# Altium PCB roach2.PcbDoc (part 36 of 39)
Units mil, origin at the board's own origin, x right, y up, seen from the top; angles counter-clockwise.
Board outline 12007.87 x 9606.3 mil, 16 copper layers (L1_TOP, L2_G, L3_S, L4_G, L5_S, L6_P, L7_G, L8_R, L9_R, L10_P, L11_P, L12_S, L13_P, L14_S, L15_G, L16_BOT), stack 81.651 mil thick; 1608 components, 1934 nets, 9335 pads, 6759 vias.
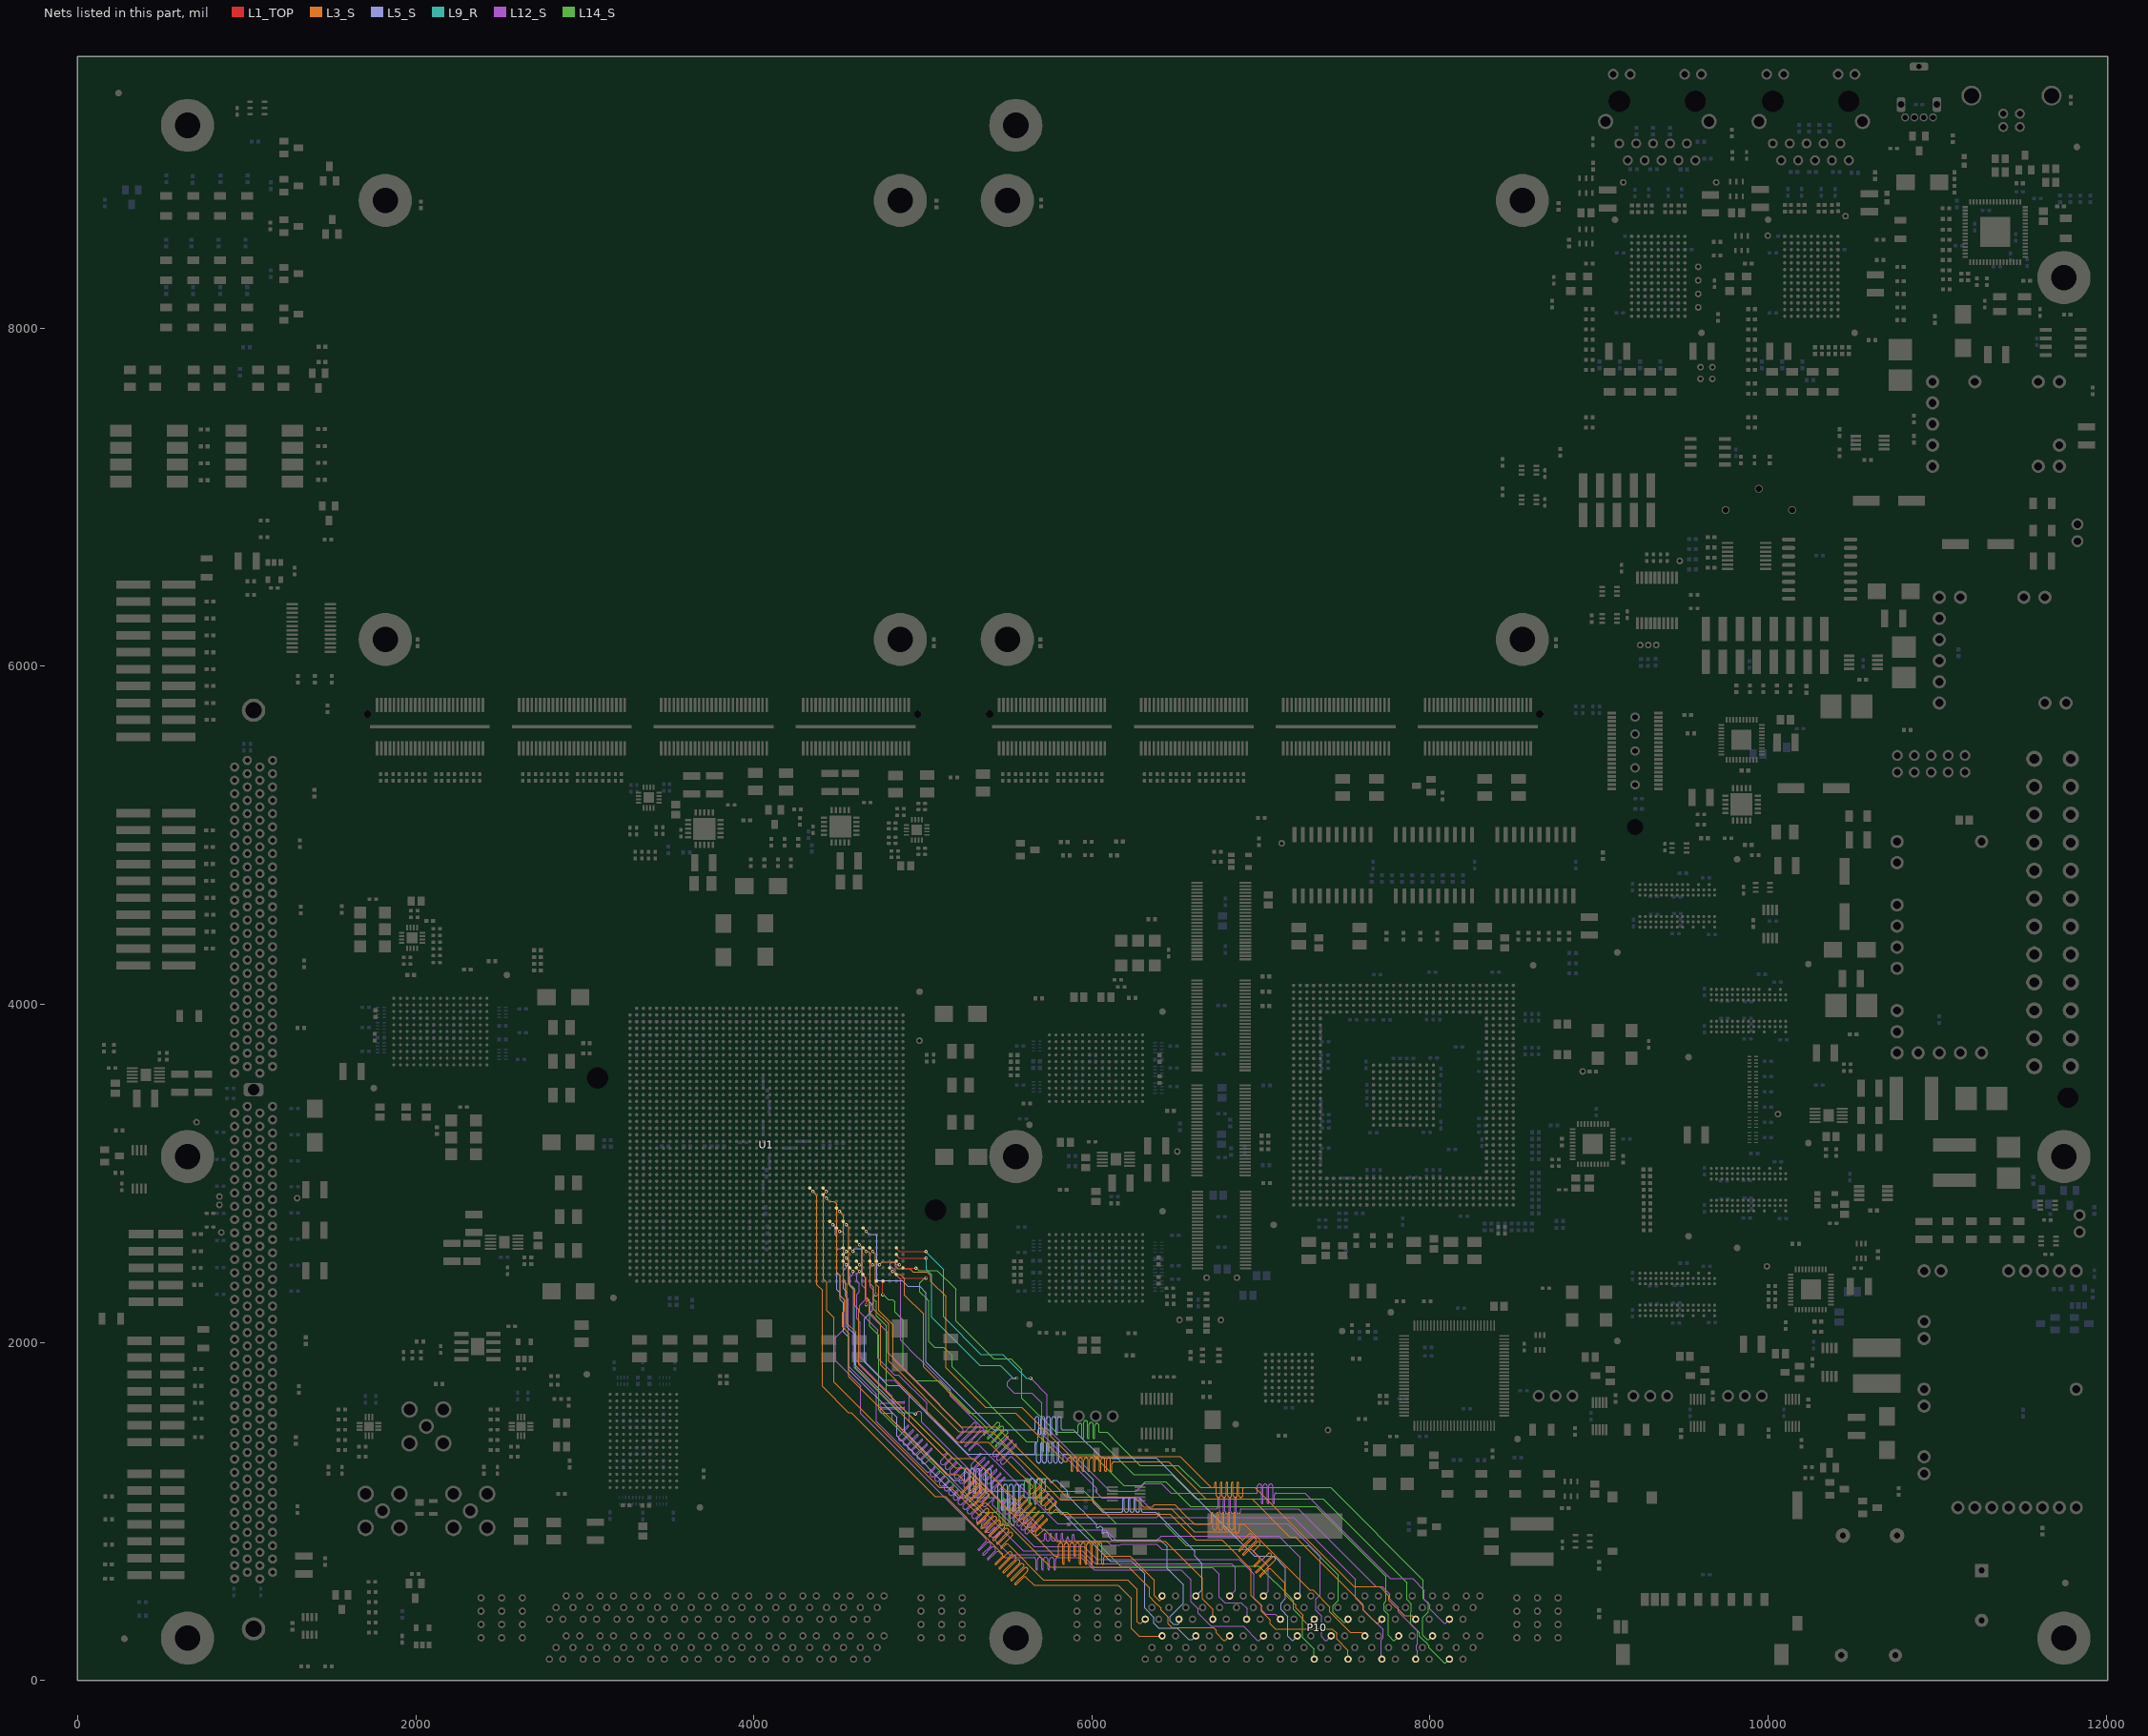
[diagram p50: the nets of this part, all layers, seen from the top]

## Via types
v1: diameter 19.4, hole 10, L1_TOP to L16_BOT, tented both sides, 3354 vias
v2: diameter 19.4, hole 10, L1_TOP to L16_BOT, 1884 vias
v3: diameter 19.4, hole 10, L1_TOP to L16_BOT, tented top, 410 vias
v4: diameter 18.6, hole 10, L1_TOP to L16_BOT, tented both sides, 311 vias
v5: diameter 59.06, hole 39.37, L1_TOP to L16_BOT, 217 vias
v6: diameter 19, hole 10, L1_TOP to L16_BOT, 198 vias
v7: diameter 19.4, hole 10.04, L1_TOP to L16_BOT, 125 vias
v8: diameter 19.4, hole 10, L1_TOP to L16_BOT, tented bottom, 80 vias
v9: diameter 25.98, hole 12.99, L1_TOP to L16_BOT, tented top, 59 vias
v10: diameter 20, hole 10, L1_TOP to L16_BOT, 52 vias
v11: diameter 59.06, hole 39.37, L1_TOP to L16_BOT, tented top, 44 vias
v12: diameter 20, hole 10, L1_TOP to L16_BOT, tented top, 16 vias
v13: diameter 19, hole 10, L1_TOP to L16_BOT, tented top, 5 vias
v14: diameter 50, hole 28, L1_TOP to L16_BOT, 4 vias

## Nets (pads, with @x,y where several pads share a name; then routed paths per layer and width w, separated by ;. In a path a pad name is that pad's centre, name@x,y a point inside that pad or via, vN(x,y) a via of type N, cw(c..) or ccw(c..) an arc to the next point about the centre after c; other vN are vias at no path point) (continued)
ZDOK0.DP_P5: P10.A11 U1.G41 | length 5249.3
  L1_TOP w5: U1.G41@4644.77,2400.04 4664.46,2380.35 v2(4664.46,2222.87)
  L14_S w3.8: v2@4665.36,2224.41 4665.36,2238.36 4672.99,2245.99 4674.99,2245.99 4684.99,2235.99 4684.99,2156.99 4685.59,2156.39 4685.59,2094.36 4738.48,2041.48 4738.48,1601.48 5344.76,995.19 5430.99,995.19 ccw(c5430.99,1007.39) 5443.19,1007.39 5443.19,1069.64 cw(c5447.59,1069.64) 5451.99,1069.64 5451.99,928.54 ccw(c5464.19,928.54) 5476.39,928.54 5476.39,1069.64 cw(c5480.79,1069.64) 5485.19,1069.64 5485.19,928.54 ccw(c5497.39,928.54) 5509.59,928.54 5509.59,1069.64 cw(c5513.99,1069.64) 5518.39,1069.64 5518.39,928.54 ccw(c5530.59,928.54) 5542.79,928.54 5542.79,1069.64 cw(c5547.19,1069.64) 5551.59,1069.64 5551.59,1007.39 ccw(c5563.79,1007.39) 5563.79,995.19 5852.99,995.19 5855.95,992.24 5920.09,928.09 6170.19,677.99 6987.99,677.99 7179.65,486.34 7179.65,485.36 7192.99,472.01 7192.99,419.76 7245.19,367.56 7245.19,254.65 7315.2,184.65 P10.A11@7315.2,125.98
ZDOK0.DP_P6: P10.A13 U1.H36 | length 5210
  L1_TOP w5: U1.H36@4605.4,2596.89 v1(4625.09,2577.2)
  L3_S w3.8: v1(4625.09,2577.2) 4641.06,2561.23 4641.06,2403.9 4660.74,2384.21 4660.74,2272.24 4682.19,2250.79 4682.19,2178.26 4749.99,2110.46 4749.99,1865.76 5205.56,1410.19 5387.99,1410.19 5521.09,1277.1 5648.95,1149.24 cw(c5645.84,1146.13) 5650.24,1146.13 cw(c5645.84,1146.13) 5648.95,1143.01 5631.36,1125.42 ccw(c5639.98,1116.8) 5631.36,1108.17 ccw(c5639.98,1116.8) 5648.61,1108.17 5690.82,1150.39 cw(c5693.94,1147.28) 5697.05,1150.39 cw(c5693.94,1147.28) 5698.34,1147.28 cw(c5693.94,1147.28) 5697.05,1144.17 5678.3,1125.41 5654.83,1101.95 ccw(c5663.46,1093.32) 5654.83,1084.7 ccw(c5663.46,1093.32) 5672.08,1084.7 5714.3,1126.91 cw(c5717.41,1123.8) 5720.53,1126.91 cw(c5717.41,1123.8) 5721.81,1123.8 cw(c5717.41,1123.8) 5720.53,1120.69 5701.77,1101.94 ; 5701.76,1101.93 5678.31,1078.47 ccw(c5686.93,1069.85) 5678.31,1061.22 ccw(c5686.93,1069.85) 5695.56,1061.22 5737.78,1103.44 cw(c5740.89,1100.33) 5744,1103.44 cw(c5740.89,1100.33) 5745.29,1100.33 cw(c5740.89,1100.33) 5744,1097.22 5701.78,1055 ccw(c5710.41,1046.37) 5701.78,1037.75 ccw(c5710.41,1046.37) 5719.03,1037.75 5761.25,1079.96 cw(c5764.36,1076.85) 5767.48,1079.96 cw(c5764.36,1076.85) 5768.76,1076.85 cw(c5764.36,1076.85) 5767.48,1073.74 5725.26,1031.53 ccw(c5733.88,1022.9) 5725.26,1014.27 ccw(c5733.88,1022.9) 5742.51,1014.27 5784.73,1056.49 cw(c5787.84,1053.38) 5790.95,1056.49 cw(c5787.84,1053.38) 5792.24,1053.38 cw(c5787.84,1053.38) 5790.95,1050.27 5748.74,1008.05 ccw(c5757.36,999.42) 5748.73,990.8 ccw(c5757.36,999.42) 5765.98,990.8 5783.57,1008.38 cw(c5786.69,1005.28) 5789.8,1008.39 5815.19,982.99 6462.99,982.99 6615.28,830.71 6769.25,830.71 6942.99,656.96 6942.99,501.96 7002.99,441.96 7002.99,409.76 7055.19,357.56 7055.19,334.76 7084.76,305.19 7420.79,305.19 7447.99,277.99 7447.99,244.76 7515.2,177.56 P10.A13@7515.2,125.98
ZDOK0.DP_P7: P10.A15 U1.B39 | length 5289.9
  L1_TOP w5: U1.B39@4841.62,2478.78 v1(4861.31,2459.09)
  L12_S w3.8: v1(4861.31,2459.09) 4844,2459.09 4828.4,2474.69 4815.48,2474.69 4806.34,2465.55 4806.34,2452.63 4823.65,2435.32 4828.4,2435.32 4837.54,2426.18 4837.54,2402.42 4868.19,2371.76 4868.19,2012.76 4962.53,1918.42 4962.67,1918.42 4983.42,1897.67 4983.42,1897.53 5161.98,1718.98 5161.98,1684.01 5442.66,1403.33 ccw(c5451.29,1411.95) 5459.92,1403.32 ; 5439.15,1323.16 ccw(c5447.78,1314.54) 5439.15,1305.91 ccw(c5447.78,1314.54) 5456.41,1305.91 5546.57,1396.07 ; 5439.16,1323.17 5529.31,1413.32 ; 5459.92,1403.33 5499.62,1443.02 ; 5499.62,1443.03 cw(c5502.73,1439.91) 5505.84,1443.03 cw(c5502.73,1439.91) 5507.13,1439.91 cw(c5502.73,1439.91) 5505.84,1436.8 5415.68,1346.64 ccw(c5424.3,1338.01) 5415.68,1329.39 ccw(c5424.3,1338.01) 5432.93,1329.39 5523.09,1419.55 cw(c5526.21,1416.44) 5529.32,1419.55 cw(c5526.21,1416.44) 5530.61,1416.44 cw(c5526.21,1416.44) 5529.32,1413.33 ; 5507.22,1344.27 5462.63,1299.69 ccw(c5471.26,1291.06) 5462.63,1282.44 ccw(c5471.26,1291.06) 5479.88,1282.44 5518.6,1321.16 cw(c5521.72,1318.05) 5524.83,1321.16 5654.99,1190.99 5787.99,1057.99 5787.99,1026.96 5851.96,962.99 6376.99,962.99 ccw(c6376.99,977.39) 6391.39,977.39 6391.39,986.19 cw(c6395.79,986.19) 6400.19,986.19 6400.19,977.39 ccw(c6414.59,977.39) 6414.59,962.99 7192.99,962.99 7557.99,597.99 7557.99,486.96 7607.99,436.96 7607.99,414.76 7722.48,300.28 7722.48,252.37 7710.19,240.08 7710.19,130.99 P10.A15@7715.2,125.98 ; 5507.22,1344.28 5552.79,1389.85 ccw(c5549.68,1392.96) 5554.08,1392.96 ccw(c5549.68,1392.96) 5552.79,1396.08 ccw(c5549.68,1392.96) 5546.57,1396.08
ZDOK0.DP_P8: P10.A17 U1.B38 | length 5277.5
  L1_TOP w5: U1.B38@4842.09,2518.46 4861.78,2498.77 v2(5019.26,2498.77)
  L9_R w3.8: v2@5020.16,2498.77 5020.16,2431.82 5051.79,2400.18 5051.79,2149.99 5336.79,1864.99 5458.79,1864.99 5535.71,1788.08 v2@5548.08,1788.08
  L12_S w3.8: v2@5548.08,1788.08 5522.05,1788.08 5500.19,1766.22 5500.19,1739.76 5539.76,1700.19 5644.76,1700.19 5702.99,1641.96 5702.99,1461.96 6027.99,1136.96 6027.99,1109.76 6057.56,1080.19 6280.79,1080.19 6345.79,1015.19 6733.59,1015.19 ccw(c6733.59,1027.39) 6745.79,1027.39 6745.79,1072.74 cw(c6750.19,1072.74) 6754.59,1072.74 6754.59,1000.45 ccw(c6766.79,1000.45) 6778.99,1000.45 6778.99,1072.74 cw(c6783.39,1072.74) 6787.79,1072.74 6787.79,1000.45 ccw(c6799.99,1000.45) 6812.19,1000.45 6812.19,1072.74 cw(c6816.59,1072.74) 6820.99,1072.74 6820.99,1000.45 ccw(c6833.19,1000.45) 6845.39,1000.45 6845.39,1072.74 cw(c6849.79,1072.74) 6854.19,1072.74 6854.19,1000.45 ccw(c6866.39,1000.45) 6878.59,1000.45 6878.59,1010.79 cw(c6882.99,1010.79) 6882.99,1015.19 7220.79,1015.19 7680.79,555.19 7717.99,555.19 7762.99,510.19 7762.99,481.96 7812.99,431.96 7812.99,404.76 7925.19,292.56 7925.19,215.11 7919.61,209.53 7919.61,180.24 7925.19,174.65 7925.19,135.98 P10.A17@7915.2,125.98
  other v2: 5555.02,1789.02
ZDOK0.DP_P9: P10.A19 U1.B41 | length 5190.9
  L1_TOP w5: U1.B41@4842.09,2400.35 4861.78,2380.66 v2(5019.26,2380.66)
  L14_S w3.8: v2@5020.16,2382.2 5019.26,2382.2 5014.04,2382.2 4982.24,2350.39 4982.24,2299.21 5023.62,2257.83 ; 5023.62,2255.91 5023.62,2257.83 ; P10.A19@8115.2,125.98 8092.2,102.99 8082.99,102.99 7992.99,192.99 7992.99,206.85 7969.6,230.24 7968.98,230.24 7935.79,263.42 7935.79,281.22 7885.79,331.22 7885.79,400.79 7890.31,405.31 7890.31,451.7 7863.51,478.51 7863.51,577.48 7367.48,1073.51 6618.51,1073.51 6474.02,1217.99 6249.02,1217.99 6054.02,1412.99 5759.99,1412.99 ccw(c5759.99,1400.79) 5747.79,1400.79 5747.79,1357.92 cw(c5743.39,1357.92) 5738.99,1357.92 5738.99,1478.66 ccw(c5726.79,1478.66) 5714.59,1478.66 5714.59,1357.92 cw(c5710.19,1357.92) 5705.79,1357.92 5705.79,1478.66 ccw(c5693.59,1478.66) 5681.39,1478.66 5681.39,1417.39 cw(c5676.99,1417.39) 5676.99,1412.99 5613.79,1412.99 5172.79,1853.99 5172.79,1922.19 5123.99,1970.99 5067.99,1970.99 5034.79,2004.19 5034.79,2243.83 5023.62,2255 5023.62,2257.83
ZDOK0.DP_P10: P10.D1 U1.N28 | length 5181.6
  L1_TOP w5: U1.N28@4408.55,2911.85 v1(4428.24,2892.16)
  L3_S w3.8: v1(4428.24,2892.16) 4412.64,2876.56 4412.64,2373.89 4432.32,2354.21 4432.32,2188.66 4473.79,2147.19 4473.79,1766.19 5096.99,1142.99 5166.22,1142.99 5263.6,1045.61 5329.37,979.84 ccw(c5332.49,982.95) 5335.6,979.84 5369.65,1013.89 cw(c5378.28,1005.27) 5386.9,1013.89 cw(c5378.28,1005.27) 5390.48,1005.27 cw(c5378.28,1005.27) 5386.9,996.64 5346.99,956.72 ; 5346.98,956.71 5320.45,930.19 ccw(c5323.55,927.07) 5320.44,923.96 ccw(c5323.55,927.07) 5326.67,923.96 5393.13,990.42 cw(c5401.75,981.79) 5410.38,990.42 cw(c5401.75,981.79) 5413.95,981.79 cw(c5401.75,981.79) 5410.38,973.17 5370.46,933.25 5343.92,906.71 ccw(c5347.03,903.59) 5343.92,900.48 ccw(c5347.03,903.59) 5350.14,900.48 5376.67,927.02 ; 5376.68,927.03 5416.6,966.94 cw(c5425.23,958.32) 5433.85,966.94 cw(c5425.23,958.32) 5437.43,958.32 cw(c5425.23,958.32) 5433.85,949.69 5393.94,909.77 ; 5393.93,909.76 5367.4,883.24 ccw(c5370.5,880.12) 5367.39,877.01 ccw(c5370.5,880.12) 5373.62,877.01 5400.15,903.54 5440.07,943.46 ; 5423.62,880.07 5397.09,853.53 cw(c5393.98,856.64) 5390.87,853.53 cw(c5393.98,856.64) 5390.87,859.76 5417.4,886.29 5457.32,926.21 ccw(c5448.7,934.84) 5460.9,934.84 ccw(c5448.7,934.84) 5457.33,943.47 ccw(c5448.7,934.84) 5440.08,943.47 ; 5423.63,880.08 5463.55,919.99 cw(c5472.18,911.37) 5480.8,919.99 cw(c5472.18,911.37) 5484.38,911.37 cw(c5472.18,911.37) 5480.8,902.74 5440.89,862.82 ; 5440.88,862.81 5414.35,836.29 ccw(c5417.45,833.17) 5414.34,830.06 ccw(c5417.45,833.17) 5420.57,830.06 5487.03,896.52 cw(c5495.65,887.89) 5504.28,896.52 cw(c5495.65,887.89) 5507.85,887.89 cw(c5495.65,887.89) 5504.28,879.27 5437.82,812.81 ccw(c5440.93,809.69) 5437.82,806.58 ccw(c5440.93,809.69) 5444.04,806.58 5510.5,873.04 cw(c5519.13,864.42) 5527.75,873.04 cw(c5519.13,864.42) 5531.33,864.42 cw(c5519.13,864.42) 5527.75,855.79 5461.3,789.34 ccw(c5464.41,786.22) 5461.29,783.11 ccw(c5464.41,786.22) 5467.52,783.11 ; 5467.52,783.11 5488.18,803.77 cw(c5496.81,795.15) 5505.44,803.78 5713.42,595.79 6211.22,595.79 6267.99,539.02 6267.99,347.99 6277.99,337.99 6290.98,337.99 P10.D1@6315.2,362.2
ZDOK0.DP_P11: P10.D3 U1.K37 | length 5194.9
  L1_TOP w5: U1.K37@4527.56,2559.06 4546.35,2540.27 v1(4546.35,2537.83)
  L5_S w3.8: v1(4546.35,2537.83) 4530.38,2521.86 4530.38,2317.14 4550.43,2297.08 4550.43,2275.47 4550.96,2274.94 4550.96,2245.16 4550.79,2244.99 4550.79,2092.99 4597.99,2045.79 4597.99,1867.99 4890.79,1575.19 4890.79,1475.19 5146.99,1219 5180.03,1185.95 5182.99,1182.99 5242.39,1182.99 ccw(c5242.39,1187.39) 5246.79,1187.39 5246.79,1239.6 cw(c5258.99,1239.6) 5271.19,1239.6 5271.19,1112.98 ccw(c5275.59,1112.98) 5279.99,1112.98 5279.99,1239.6 cw(c5292.19,1239.6) 5304.39,1239.6 5304.39,1112.98 ccw(c5308.79,1112.98) 5313.19,1112.98 5313.19,1239.6 cw(c5325.39,1239.6) 5337.59,1239.6 5337.59,1112.98 ccw(c5341.99,1112.98) 5346.39,1112.98 5346.39,1239.6 cw(c5358.59,1239.6) 5370.79,1239.6 5370.79,1112.98 ccw(c5375.19,1112.98) 5379.59,1112.98 5379.59,1239.6 cw(c5391.79,1239.6) 5403.99,1239.6 5403.99,1112.98 ccw(c5408.39,1112.98) 5412.79,1112.98 5412.79,1170.79 cw(c5424.99,1170.79) 5424.99,1182.99 5609.61,1182.99 cw(c5609.61,1179.09) 5613.51,1179.09 ccw(c5621.21,1179.09) 5628.91,1179.09 cw(c5644.41,1179.09) 5659.91,1179.09 ccw(c5667.61,1179.09) 5675.31,1179.09 cw(c5690.81,1179.09) 5706.31,1179.09 ccw(c5714.01,1179.09) 5721.71,1179.09 cw(c5737.21,1179.09) 5752.71,1179.09 ccw(c5760.41,1179.09) 5768.11,1179.09 cw(c5772.01,1179.09) 5772.01,1182.99 5791.22,1182.99 5855.79,1118.42 5855.79,1092.99 5933.39,1015.4 5944.95,1003.83 5961.36,987.43 ; 5961.37,987.42 5977.76,971.02 ; 5977.77,971.01 5994.17,954.62 ; 5994.18,954.61 6010.57,938.21 6026.98,921.81 cw(c6024.22,919.05) 6028.12,919.05 cw(c6024.22,919.05) 6026.98,916.29 ccw(c6032.42,910.84) 6037.87,905.4 cw(c6048.83,894.44) 6064.33,894.44 cw(c6048.83,894.44) 6059.79,883.48 ccw(c6065.23,878.04) 6070.68,872.59 cw(c6081.64,861.63) 6097.14,861.63 cw(c6081.64,861.63) 6095,853.78 6109,839.78 6115.79,832.99 6404.02,832.99 6445.79,791.22 6445.79,661.22 6540.79,566.22 6540.79,455.9 6527.41,442.52 6527.41,442.41 6462.99,377.99 6462.99,352.99 6482.99,332.99 6485.98,332.99 6509,333 6515.2,339.2 P10.D3@6515.2,362.2
ZDOK0.DP_P12: P10.D5 U1.K33 | length 5190.6
  L1_TOP w5: U1.K33@4526.66,2715 v1(4546.35,2695.31)
  L3_S w3.8: v1(4546.35,2695.31) 4562.32,2679.34 4562.32,2342.14 4599.19,2305.26 4599.19,2216.76 4621.19,2194.76 4621.19,1869.76 5175.76,1315.19 5297.99,1315.19 5387.59,1225.6 5545.01,1068.17 ccw(c5553.64,1076.8) 5562.26,1068.17 5588.88,1094.79 cw(c5591.99,1091.68) 5595.11,1094.8 cw(c5591.99,1091.68) 5596.39,1091.68 cw(c5591.99,1091.68) 5595.11,1088.57 5526.53,1019.99 ccw(c5535.15,1011.37) 5526.53,1002.74 ccw(c5535.15,1011.37) 5543.78,1002.74 5612.35,1071.32 ; 5567.25,979.27 cw(c5558.63,987.89) 5550,979.27 cw(c5558.63,987.89) 5550,996.52 5618.58,1065.1 ccw(c5615.47,1068.21) 5619.87,1068.21 ccw(c5615.47,1068.21) 5618.58,1071.32 ccw(c5615.47,1068.21) 5612.36,1071.32 ; 5567.26,979.27 5635.83,1047.84 cw(c5638.94,1044.73) 5642.06,1047.84 cw(c5638.94,1044.73) 5643.34,1044.73 cw(c5638.94,1044.73) 5642.06,1041.62 5573.48,973.04 ccw(c5582.1,964.42) 5573.48,955.79 ccw(c5582.1,964.42) 5590.73,955.79 5659.3,1024.37 ; 5614.2,932.32 cw(c5605.58,940.94) 5596.95,932.32 cw(c5605.58,940.94) 5596.95,949.57 5665.53,1018.15 ccw(c5662.42,1021.26) 5666.82,1021.26 ccw(c5662.42,1021.26) 5665.53,1024.37 ccw(c5662.42,1021.26) 5659.31,1024.37 ; 5614.21,932.32 5682.78,1000.89 cw(c5685.89,997.78) 5689.01,1000.89 cw(c5685.89,997.78) 5690.29,997.78 cw(c5685.89,997.78) 5689.01,994.67 5620.43,926.09 ccw(c5629.05,917.47) 5620.43,908.84 ccw(c5629.05,917.47) 5637.68,908.84 5706.25,977.41 ; 5661.15,885.37 cw(c5652.53,893.99) 5643.9,885.37 cw(c5652.53,893.99) 5643.9,902.62 5712.48,971.2 ccw(c5709.37,974.31) 5713.77,974.31 ccw(c5709.37,974.31) 5712.48,977.42 ccw(c5709.37,974.31) 5706.26,977.42 ; 5661.16,885.37 5729.73,953.94 cw(c5732.84,950.83) 5735.96,953.94 cw(c5732.84,950.83) 5737.24,950.83 cw(c5732.84,950.83) 5735.96,947.72 5667.38,879.15 ccw(c5676,870.52) 5667.38,861.89 ccw(c5676,870.52) 5684.63,861.89 5714.85,892.11 cw(c5717.96,889) 5721.07,892.11 5790.19,822.99 6432.99,822.99 6652.99,602.99 6652.99,483.07 6715.2,420.87 P10.D5@6715.2,362.2
ZDOK0.DP_P13: P10.D7 U1.K39 | length 5229.4
  L1_TOP w5: U1.K39@4526.66,2478.78 v1(4546.35,2459.09)
  L12_S w3.8: v1(4546.35,2459.09) 4546.35,2441.78 4530.75,2426.18 4530.75,2373.89 4542.63,2362 4542.63,2272.24 4558.19,2256.68 4558.19,1861.76 4723.98,1695.98 4723.98,1532.01 5019.25,1236.73 ccw(c5029.86,1247.34) 5040.47,1236.73 5065.46,1261.72 cw(c5068.57,1258.61) 5072.97,1258.61 cw(c5068.57,1258.61) 5071.68,1255.49 5046.7,1230.51 ccw(c5057.31,1219.9) 5046.7,1209.29 ccw(c5057.31,1219.9) 5067.92,1209.29 5092.9,1234.27 cw(c5096.01,1231.16) 5100.41,1231.16 cw(c5096.01,1231.16) 5099.13,1228.05 5074.14,1203.06 ccw(c5084.75,1192.45) 5074.14,1181.84 ccw(c5084.75,1192.45) 5095.36,1181.84 5120.35,1206.83 cw(c5123.46,1203.72) 5127.86,1203.72 cw(c5123.46,1203.72) 5126.57,1200.6 5101.59,1175.62 ccw(c5112.2,1165.01) 5101.59,1154.4 ccw(c5112.2,1165.01) 5122.81,1154.4 5147.79,1179.38 cw(c5150.9,1176.27) 5155.3,1176.27 cw(c5150.9,1176.27) 5154.02,1173.16 5129.03,1148.17 ccw(c5139.64,1137.56) 5129.03,1126.95 ccw(c5139.64,1137.56) 5150.25,1126.95 5175.24,1151.94 cw(c5178.35,1148.83) 5182.75,1148.83 cw(c5178.35,1148.83) 5181.46,1145.71 5156.48,1120.73 ccw(c5167.09,1110.12) 5156.48,1099.51 ccw(c5167.09,1110.12) 5177.7,1099.51 5202.68,1124.49 cw(c5205.8,1121.38) 5210.2,1121.38 cw(c5205.8,1121.38) 5208.91,1118.27 5183.92,1093.28 ccw(c5194.53,1082.67) 5183.92,1072.06 ccw(c5194.53,1082.67) 5205.14,1072.06 5230.13,1097.05 cw(c5233.24,1093.93) 5237.64,1093.93 cw(c5233.24,1093.93) 5236.35,1090.82 5211.37,1065.84 ccw(c5221.98,1055.23) 5211.37,1044.62 ccw(c5221.98,1055.23) 5232.59,1044.62 5257.57,1069.6 cw(c5260.69,1066.49) 5265.09,1066.49 cw(c5260.69,1066.49) 5263.8,1063.38 5238.81,1038.39 ccw(c5249.42,1027.78) 5238.81,1017.17 ccw(c5249.42,1027.78) 5260.03,1017.17 5285.02,1042.16 cw(c5288.13,1039.04) 5292.53,1039.04 cw(c5288.13,1039.04) 5291.24,1035.93 5266.26,1010.95 ccw(c5276.87,1000.34) 5266.26,989.73 ccw(c5276.87,1000.34) 5287.48,989.73 5312.46,1014.71 cw(c5315.58,1011.6) 5319.98,1011.6 cw(c5315.58,1011.6) 5318.69,1008.49 5293.7,983.5 ccw(c5304.31,972.89) 5293.7,962.28 ccw(c5304.31,972.89) 5314.92,962.28 5339.91,987.27 cw(c5343.02,984.15) 5347.42,984.15 cw(c5343.02,984.15) 5346.13,981.04 5321.15,956.06 ccw(c5331.76,945.45) 5321.15,934.84 ccw(c5331.76,945.45) 5342.37,934.84 5367.35,959.82 cw(c5370.47,956.71) 5374.87,956.71 cw(c5370.47,956.71) 5373.58,953.6 5348.59,928.61 ccw(c5359.2,918) 5348.59,907.39 ccw(c5359.2,918) 5369.82,907.39 5394.8,932.38 cw(c5397.91,929.26) 5402.31,929.26 cw(c5397.91,929.26) 5401.02,926.15 5376.04,901.17 ccw(c5386.65,890.56) 5376.04,879.95 ccw(c5386.65,890.56) 5397.26,879.95 5422.24,904.93 cw(c5425.36,901.82) 5429.76,901.82 cw(c5425.36,901.82) 5428.47,898.71 5403.48,873.72 ccw(c5414.09,863.11) 5403.48,852.5 ccw(c5414.09,863.11) 5424.71,852.5 5449.69,877.49 cw(c5452.8,874.37) 5457.2,874.37 cw(c5452.8,874.37) 5455.91,871.26 5430.93,846.28 ccw(c5441.54,835.67) 5430.93,825.06 5512.99,742.99 5940.19,742.99 6015.19,667.99 6712.99,667.99 6752.99,627.99 6752.99,492.99 6785.79,460.19 6882.99,460.19 6917.99,425.19 6917.99,365 P10.D7@6915.2,362.2
ZDOK0.DP_P14: P10.D9 U1.H40 | length 5220.6
  L1_TOP w5: U1.H40@4605.4,2439.41 v1(4625.09,2419.72)
  L12_S w3.8: v1(4625.09,2419.72) 4609.49,2404.12 4609.49,2363 4623.99,2348.49 4623.99,2298.02 4608.99,2283.02 4608.99,2138.96 4629.19,2118.76 4629.19,1914.76 4768.76,1775.19 4830.76,1775.19 4919.48,1686.48 4919.48,1531.51 5111.48,1339.5 ccw(c5122.09,1350.12) 5132.7,1339.5 5139.69,1346.49 cw(c5142.8,1343.38) 5147.2,1343.38 cw(c5142.8,1343.38) 5145.91,1340.27 5107.7,1302.06 ccw(c5118.31,1291.45) 5128.92,1280.84 5167.13,1319.05 cw(c5170.24,1315.93) 5174.64,1315.93 cw(c5170.24,1315.93) 5173.36,1312.82 5135.15,1274.61 ccw(c5145.76,1264) 5156.37,1253.39 5194.58,1291.6 cw(c5197.69,1288.49) 5202.09,1288.49 cw(c5197.69,1288.49) 5200.8,1285.38 5162.59,1247.17 ccw(c5173.2,1236.56) 5183.81,1225.95 5222.02,1264.16 cw(c5225.13,1261.04) 5229.53,1261.04 cw(c5225.13,1261.04) 5228.25,1257.93 5190.04,1219.72 ccw(c5200.65,1209.11) 5211.26,1198.5 5249.47,1236.71 cw(c5252.58,1233.6) 5256.98,1233.6 cw(c5252.58,1233.6) 5255.69,1230.49 5217.48,1192.28 ccw(c5228.09,1181.67) 5238.7,1171.06 5276.91,1209.27 cw(c5280.02,1206.15) 5284.42,1206.15 cw(c5280.02,1206.15) 5283.14,1203.04 5244.93,1164.83 ccw(c5255.54,1154.22) 5266.15,1143.61 5304.36,1181.82 cw(c5307.47,1178.71) 5311.87,1178.71 cw(c5307.47,1178.71) 5310.58,1175.6 5272.37,1137.39 ccw(c5282.98,1126.78) 5293.59,1116.17 5331.8,1154.38 cw(c5334.91,1151.26) 5339.31,1151.26 cw(c5334.91,1151.26) 5338.03,1148.15 5299.82,1109.94 ccw(c5310.43,1099.33) 5321.04,1088.72 5359.25,1126.93 cw(c5362.36,1123.82) 5366.76,1123.82 cw(c5362.36,1123.82) 5365.47,1120.71 5327.26,1082.5 ccw(c5337.87,1071.89) 5348.48,1061.28 5386.69,1099.49 cw(c5389.81,1096.37) 5394.21,1096.37 cw(c5389.81,1096.37) 5392.92,1093.26 5354.71,1055.05 ccw(c5365.32,1044.44) 5375.93,1033.83 5414.14,1072.04 cw(c5417.25,1068.93) 5421.65,1068.93 cw(c5417.25,1068.93) 5420.36,1065.82 5413.38,1058.83 ccw(c5423.99,1048.22) 5413.38,1037.61 5657.99,792.99 5952.99,792.99 6030.79,715.19 6870.79,715.19 6957.99,627.99 6957.99,486.96 7002.48,442.48 7002.48,418.51 7030.28,390.71 7086.69,390.71 P10.D9@7115.2,362.2
ZDOK0.DP_P15: P10.D11 U1.G37 | length 5206.3
  L1_TOP w5: U1.G37@4644.77,2557.52 v1(4664.46,2537.83)
  L3_S w3.8: v1(4664.46,2537.83) 4676.15,2537.83 4688.23,2525.76 4688.23,2346.76 4707.91,2327.07 4707.91,2197.07 4796.99,2107.99 4796.99,1889.99 5213.99,1472.99 5409.02,1472.99 5813.62,1068.39 5832.68,1068.39 5833.08,1067.99 5996.22,1067.99 6048.42,1015.79 6471.22,1015.79 6606.22,880.79 6836.22,880.79 6886.73,830.29 ccw(c6889.85,833.39) 6892.96,830.28 6927.55,864.88 cw(c6936.18,856.25) 6944.81,864.88 cw(c6936.18,856.25) 6948.38,856.25 cw(c6936.18,856.25) 6944.81,847.63 6869.46,772.27 ccw(c6872.57,769.16) 6869.44,766.07 ccw(c6872.57,769.16) 6875.68,766.05 6951.03,841.41 cw(c6959.66,832.78) 6968.29,841.41 cw(c6959.66,832.78) 6971.86,832.78 cw(c6959.66,832.78) 6968.29,824.15 6892.94,748.8 ccw(c6896.04,745.69) 6892.93,742.58 ccw(c6896.04,745.69) 6899.15,742.58 6974.51,817.93 cw(c6983.13,809.3) 6991.76,817.93 cw(c6983.13,809.3) 6995.33,809.3 cw(c6983.13,809.3) 6991.76,800.68 6957.17,766.08 ccw(c6960.27,762.97) 6957.16,759.85 6973.51,743.51 6977.6,739.41 6983.47,733.54 6989.35,727.67 cw(c6980.72,719.04) 6992.92,719.04 cw(c6980.72,719.04) 6989.35,710.42 6960.33,681.4 ccw(c6963.44,678.29) 6960.33,675.18 ccw(c6963.44,678.29) 6966.55,675.18 7041.91,750.53 cw(c7050.53,741.91) 7059.16,750.53 cw(c7050.53,741.91) 7062.73,741.91 cw(c7050.53,741.91) 7059.16,733.28 6969.22,643.34 ccw(c6972.33,640.23) 6969.22,637.12 ccw(c6972.33,640.23) 6975.44,637.12 7065.38,727.06 cw(c7074.01,718.43) 7082.63,727.06 cw(c7074.01,718.43) 7086.21,718.43 cw(c7074.01,718.43) 7082.63,709.8 6992.7,619.87 ; 6992.7,619.87 ccw(c6995.81,616.76) 6992.7,613.64 ccw(c6995.81,616.76) 6998.92,613.64 7042.52,657.24 cw(c7051.14,648.62) 7059.77,657.24 7140.79,576.22 7140.79,511.22 7205.79,446.22 7205.79,428.42 7247.99,386.22 7247.99,357.99 7272.99,332.99 7285.98,332.99 P10.D11@7315.2,362.2